# KiCad board sofel_v3b.kicad_pcb
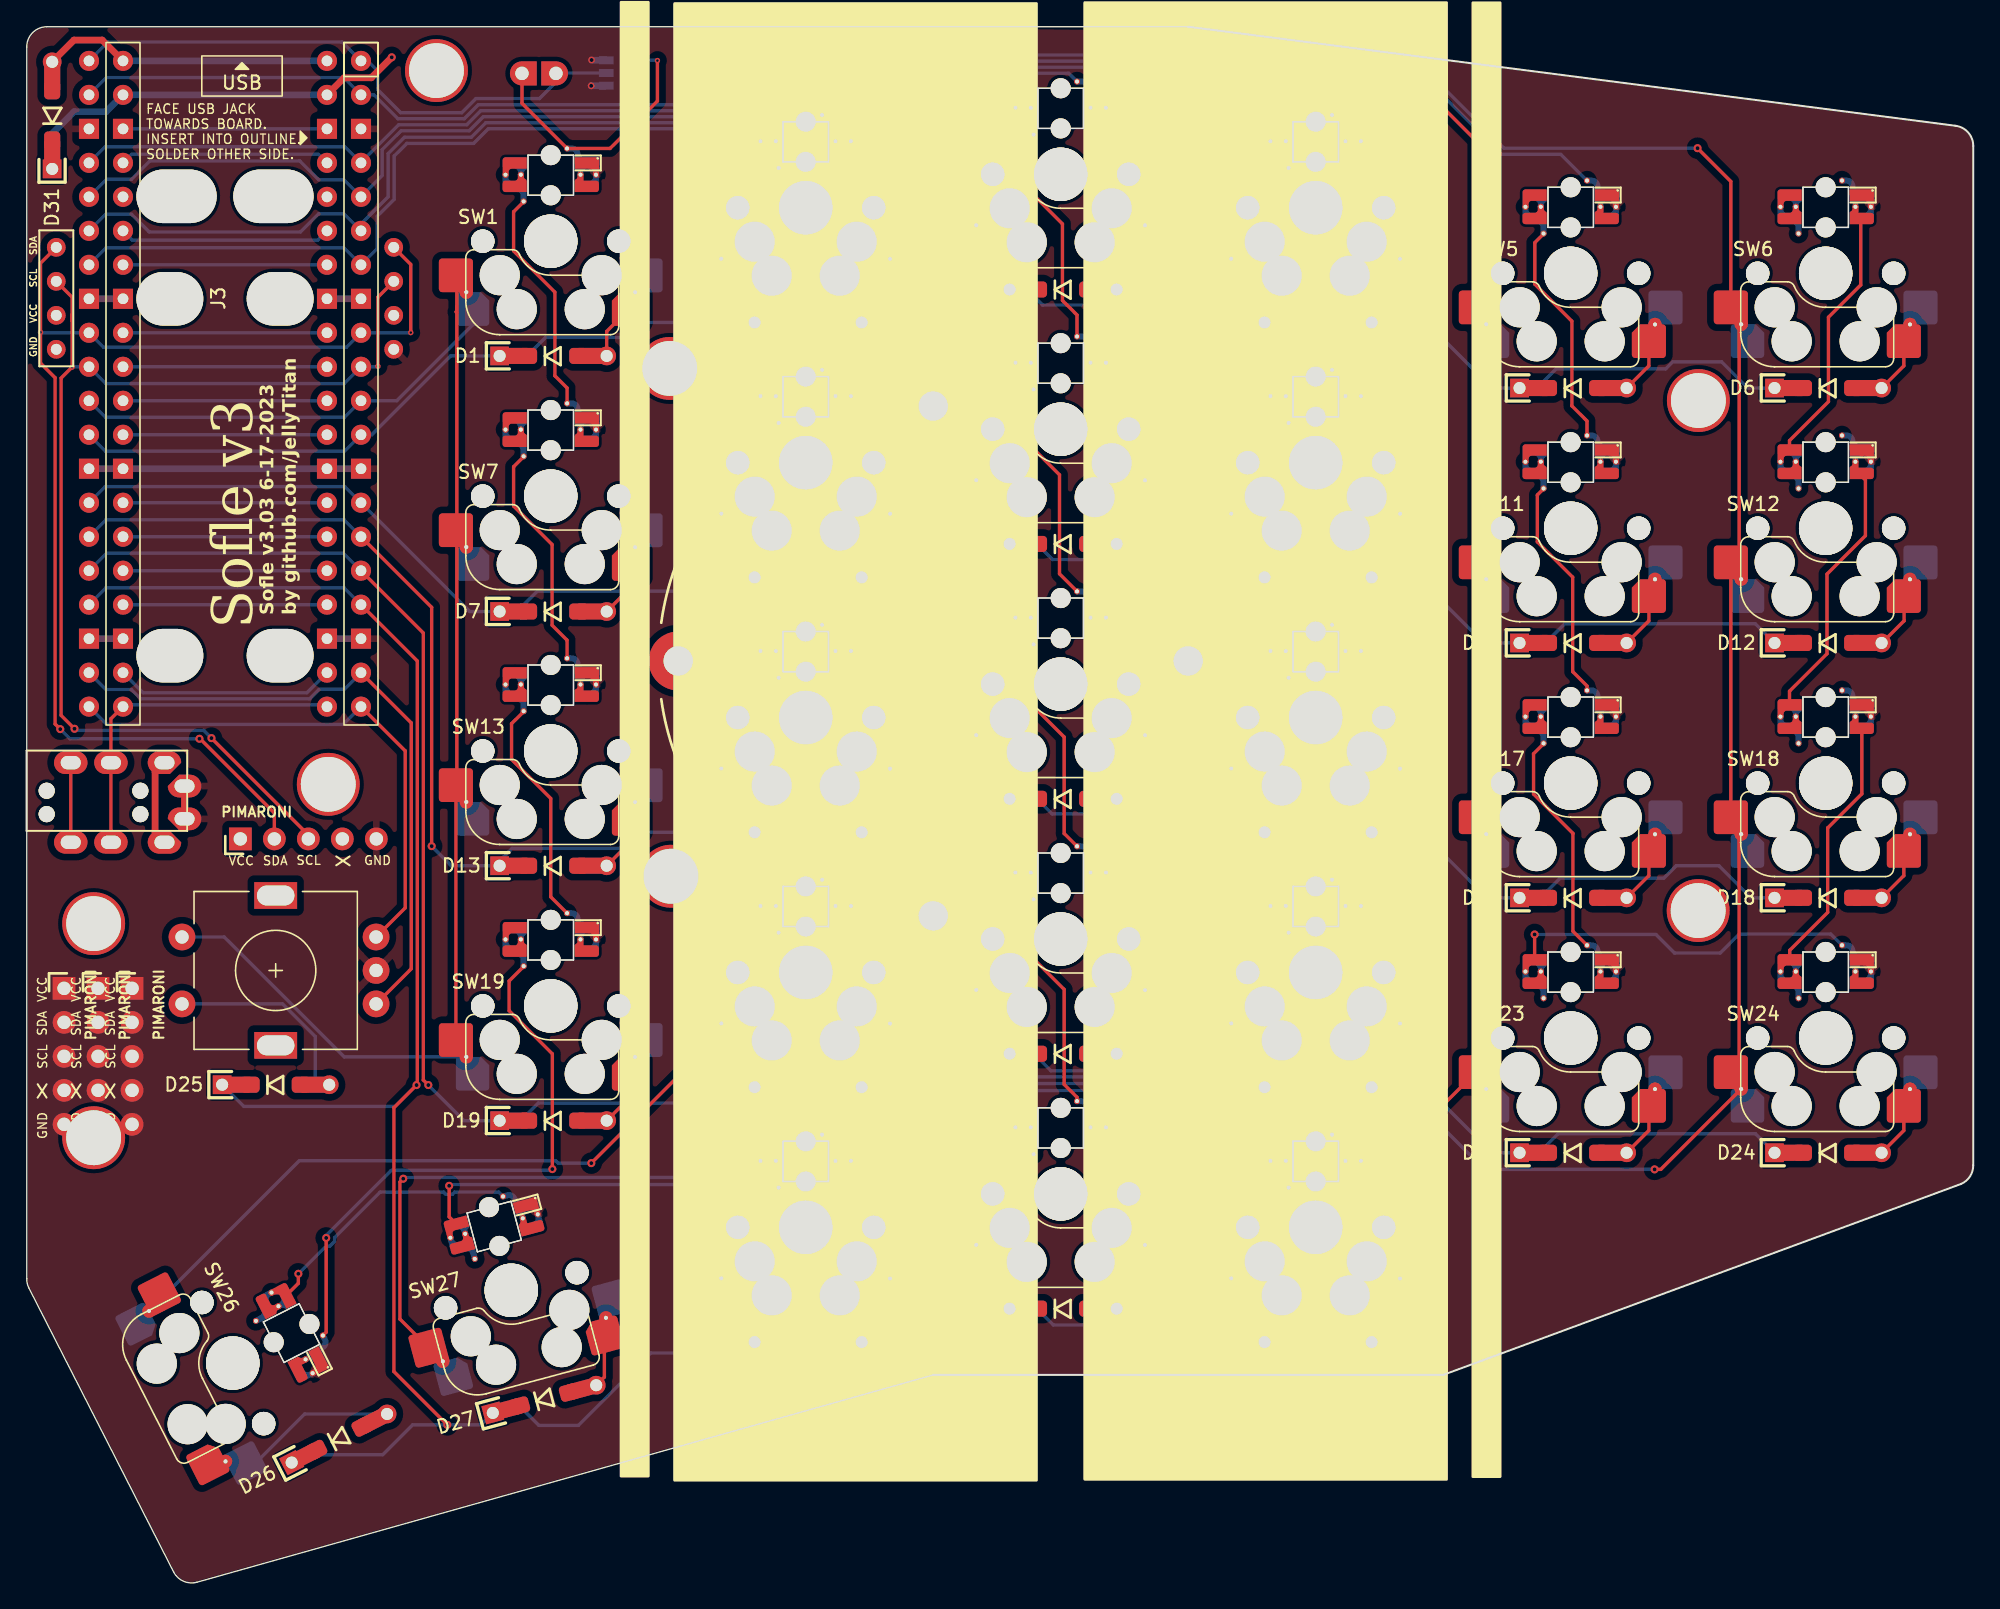
[diagram p0: board, top side]
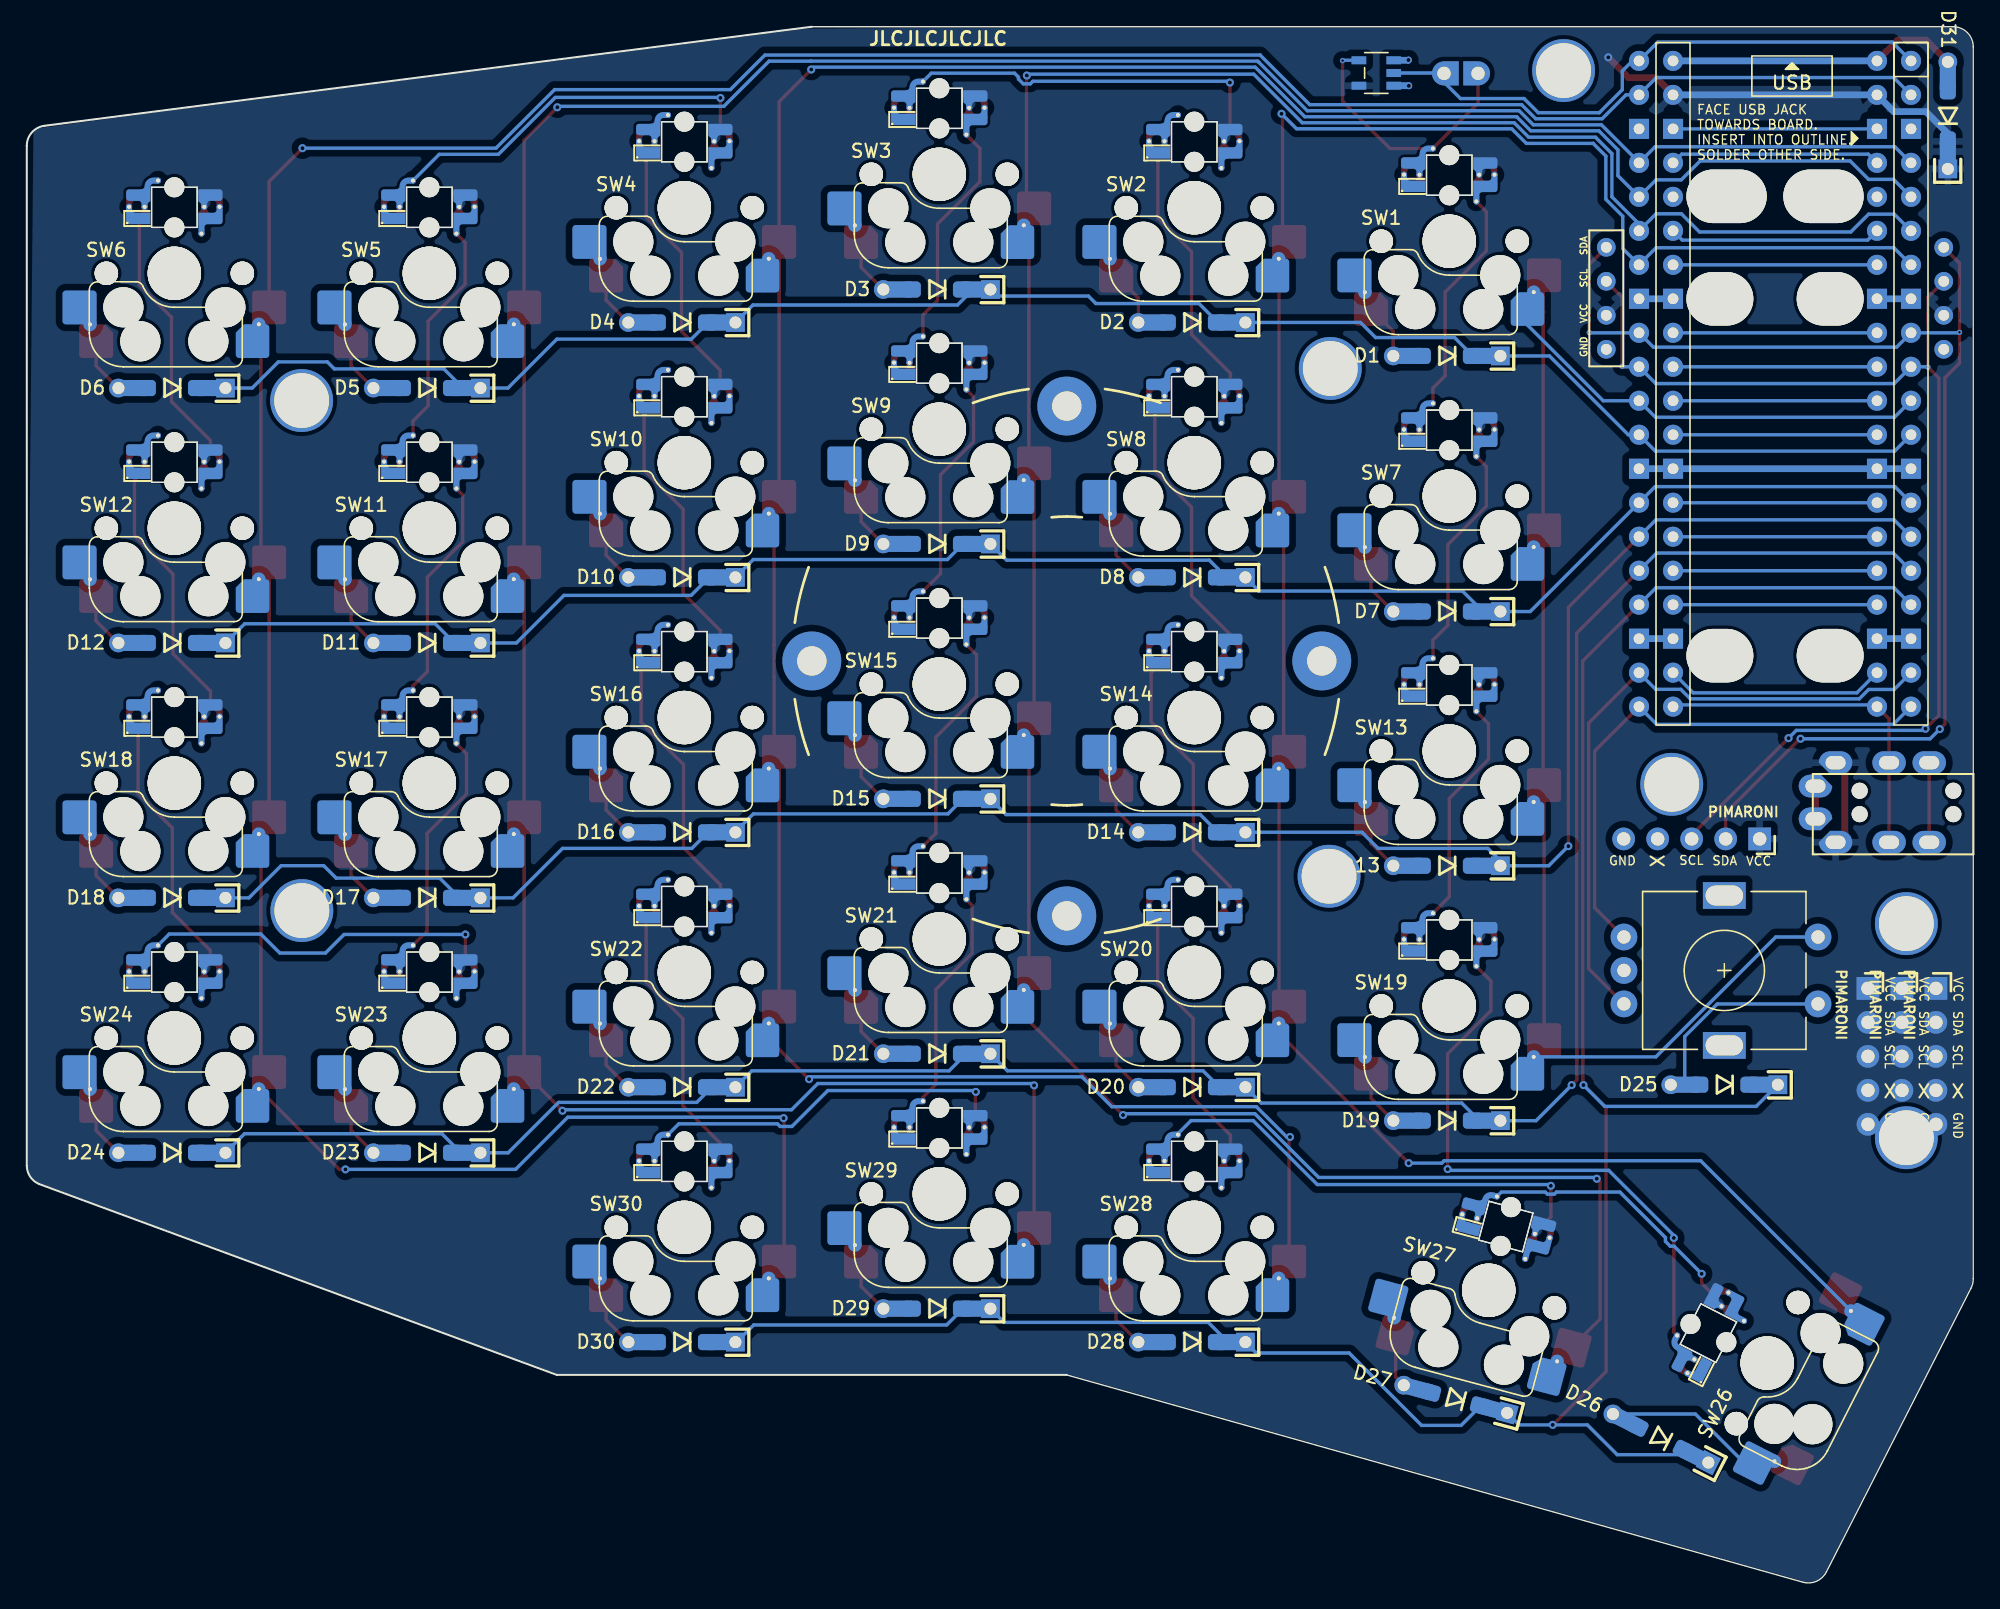
[diagram p1: board, bottom side, seen from below]

Outline 145.42 x 116.25 mm; copper layers: Top, Bottom. Coordinates in mm from the lower left corner of the outline.
Outline path: 0,114.75 0,22.69 arc(0.04,22.33) 0.16,21.98 10.97,0.77 arc(11.7,0.07) 12.71,0 67.72,15.5 105.82,15.5 144.52,29.77 arc(145.17,30.32) 145.42,31.15 145.42,107.35 arc(145.04,108.35) 144.09,108.85 86.77,116.25 1.5,116.25 arc(0.44,115.81) 0,114.75
Stack: Top 0.035mm / dielectric 1.51mm FR4 er 4.5 / Bottom 0.035mm

## Placement (name value [footprint] x y rotation side)
D1  D  [D_SOD-123_DO-35_Hybrid_DoubleSided_V2]  39.33 91.65 0 bottom
D2  D  [D_SOD-123_DO-35_Hybrid_DoubleSided_V2]  58.38 94.15 0 bottom
D3  D  [D_SOD-123_DO-35_Hybrid_DoubleSided_V2]  77.43 96.61 0 bottom
D4  D  [D_SOD-123_DO-35_Hybrid_DoubleSided_V2]  96.48 94.15 0 bottom
D5  D  [D_SOD-123_DO-35_Hybrid_DoubleSided_V2]  115.53 89.25 0 bottom
D6  D  [D_SOD-123_DO-35_Hybrid_DoubleSided_V2]  134.58 89.25 0 bottom
D7  D  [D_SOD-123_DO-35_Hybrid_DoubleSided_V2]  39.33 72.55 0 bottom
D8  D  [D_SOD-123_DO-35_Hybrid_DoubleSided_V2]  58.38 75.1 0 bottom
D9  D  [D_SOD-123_DO-35_Hybrid_DoubleSided_V2]  77.43 77.6 0 bottom
D10  D  [D_SOD-123_DO-35_Hybrid_DoubleSided_V2]  96.48 75.1 0 bottom
D11  D  [D_SOD-123_DO-35_Hybrid_DoubleSided_V2]  115.53 70.2 0 bottom
D12  D  [D_SOD-123_DO-35_Hybrid_DoubleSided_V2]  134.58 70.2 0 bottom
D13  D  [D_SOD-123_DO-35_Hybrid_DoubleSided_V2]  39.33 53.55 0 bottom
D14  D  [D_SOD-123_DO-35_Hybrid_DoubleSided_V2]  58.38 56.05 0 bottom
D15  D  [D_SOD-123_DO-35_Hybrid_DoubleSided_V2]  77.43 58.55 0 bottom
D16  D  [D_SOD-123_DO-35_Hybrid_DoubleSided_V2]  96.48 56.05 0 bottom
D17  D  [D_SOD-123_DO-35_Hybrid_DoubleSided_V2]  115.53 51.15 0 bottom
D18  D  [D_SOD-123_DO-35_Hybrid_DoubleSided_V2]  134.58 51.15 0 bottom
D19  D  [D_SOD-123_DO-35_Hybrid_DoubleSided_V2]  39.33 34.5 0 bottom
D20  D  [D_SOD-123_DO-35_Hybrid_DoubleSided_V2]  58.38 37 0 bottom
D21  D  [D_SOD-123_DO-35_Hybrid_DoubleSided_V2]  77.43 39.5 0 bottom
D22  D  [D_SOD-123_DO-35_Hybrid_DoubleSided_V2]  96.48 37 0 bottom
D23  D  [D_SOD-123_DO-35_Hybrid_DoubleSided_V2]  115.53 32.1 0 bottom
D24  D  [D_SOD-123_DO-35_Hybrid_DoubleSided_V2]  134.58 32.1 0 bottom
D25  D  [D_SOD-123_DO-35_Hybrid_DoubleSided_V2]  18.6 37.18 0 bottom
D26  D  [D_SOD-123_DO-35_Hybrid_DoubleSided_V2]  23.35 10.76 27 bottom
D27  D  [D_SOD-123_DO-35_Hybrid_DoubleSided_V2]  38.68 13.69 15 bottom
D28  D  [D_SOD-123_DO-35_Hybrid_DoubleSided_V2]  58.38 17.95 0 bottom
D29  D  [D_SOD-123_DO-35_Hybrid_DoubleSided_V2]  77.43 20.45 0 bottom
D30  D  [D_SOD-123_DO-35_Hybrid_DoubleSided_V2]  96.48 17.95 0 bottom
D31  D  [D_SOD-123_DO-35_Hybrid_DoubleSided_V2]  1.9 109.62 90 bottom
D51  -  [Dummy 6812miniE]  39.15 105.15 180 bottom
D52  -  [Dummy 6812miniE]  58.2 107.65 180 bottom
D53  -  [Dummy 6812miniE]  77.25 110.15 180 bottom
D54  -  [Dummy 6812miniE]  96.3 107.65 180 bottom
D55  -  [Dummy 6812miniE]  115.35 102.75 180 bottom
D56  -  [Dummy 6812miniE]  134.4 102.75 180 bottom
D57  -  [Dummy 6812miniE]  39.15 86.1 180 bottom
D58  -  [Dummy 6812miniE]  58.2 88.6 180 bottom
D59  -  [Dummy 6812miniE]  77.25 91.1 180 bottom
D59#2  -  [Dummy 6812miniE]  39.15 48 180 bottom
D60  -  [Dummy 6812miniE]  96.3 88.6 180 bottom
D61  -  [Dummy 6812miniE]  115.35 83.7 180 bottom
D62  -  [Dummy 6812miniE]  134.4 83.7 180 bottom
D63  -  [Dummy 6812miniE]  39.15 67.05 180 bottom
D64  -  [Dummy 6812miniE]  58.2 69.55 180 bottom
D65  -  [Dummy 6812miniE]  77.25 72.05 180 bottom
D66  -  [Dummy 6812miniE]  96.3 69.55 180 bottom
D67  -  [Dummy 6812miniE]  115.35 64.65 180 bottom
D68  -  [Dummy 6812miniE]  134.4 64.65 180 bottom
D70  -  [Dummy 6812miniE]  58.2 50.5 180 bottom
D71  -  [Dummy 6812miniE]  77.25 53 180 bottom
D72  -  [Dummy 6812miniE]  96.3 50.5 180 bottom
D73  -  [Dummy 6812miniE]  115.35 45.6 180 bottom
D74  -  [Dummy 6812miniE]  134.4 45.6 180 bottom
D76  -  [Dummy 6812miniE]  19.79 18.62 117 bottom
D77  -  [Dummy 6812miniE]  34.92 26.58 195 bottom
D78  -  [Dummy 6812miniE]  58.2 31.45 180 bottom
D79  -  [Dummy 6812miniE]  77.25 33.95 180 bottom
D80  -  [Dummy 6812miniE]  96.3 31.45 180 bottom
J1  Pimaroni Trackball  [Pimaroni_PinHeader_1x05_P2.54mm_Vertical Sofle v3b]  15.96 55.55 90 top
J1#2  Pimaroni Trackball  [Pimaroni_PinHeader_1x05_P2.54mm_Vertical Sofle v3b]  5.33 44.38 0 top
J1#3  Pimaroni Trackball  [Pimaroni_PinHeader_1x05_P2.54mm_Vertical Sofle v3b]  7.87 44.38 0 top
J1#4  Pimaroni Trackball  [Pimaroni_PinHeader_1x05_P2.54mm_Vertical Sofle v3b]  2.79 44.38 0 top
J2  4PIN  [MJ-4PP-9]  -0.01 59.15 90 top
J3  OLED  [OLED SSD1306 128x64 UNVERIFIED]  14.81 95.95 90 top
JP1  Level shifter bypass jumper  [Level Shifter Bypass Jumper]  38.27 112.76 180 top
NOREF  -  [e4819d78-7681-430c-a61d-7ce8f9aac4b4]  20.82 107.34 180 top
NOREF#2  -  [e4819d78-7681-430c-a61d-7ce8f9aac4b4]  8.73 107.39 0 bottom
REF**  Tenting Puck  [Tenting_Puck.kicad_mod_nocenter]  67.72 68.85 0 top
SW1  SW_PUSH_LED  [Cherry_MX_DS_Hotswap_miniE_1U]  39.15 100.22 0 bottom
SW2  SW_PUSH_LED  [Cherry_MX_DS_Hotswap_miniE_1U]  58.2 102.72 0 bottom
SW3  SW_PUSH_LED  [Cherry_MX_DS_Hotswap_miniE_1U]  77.25 105.22 0 bottom
SW4  SW_PUSH_LED  [Cherry_MX_DS_Hotswap_miniE_1U]  96.3 102.72 0 bottom
SW5  SW_PUSH_LED  [Cherry_MX_DS_Hotswap_miniE_1U]  115.35 97.82 0 bottom
SW6  SW_PUSH_LED  [Cherry_MX_DS_Hotswap_miniE_1U]  134.4 97.82 0 bottom
SW7  SW_PUSH_LED  [Cherry_MX_DS_Hotswap_miniE_1U]  39.15 81.17 0 bottom
SW8  SW_PUSH_LED  [Cherry_MX_DS_Hotswap_miniE_1U]  58.2 83.67 0 bottom
SW9  SW_PUSH_LED  [Cherry_MX_DS_Hotswap_miniE_1U]  77.25 86.17 0 bottom
SW10  SW_PUSH_LED  [Cherry_MX_DS_Hotswap_miniE_1U]  96.3 83.67 0 bottom
SW11  SW_PUSH_LED  [Cherry_MX_DS_Hotswap_miniE_1U]  115.35 78.77 0 bottom
SW12  SW_PUSH_LED  [Cherry_MX_DS_Hotswap_miniE_1U]  134.4 78.77 0 bottom
SW13  SW_PUSH_LED  [Cherry_MX_DS_Hotswap_miniE_1U]  39.15 62.12 0 bottom
SW14  SW_PUSH_LED  [Cherry_MX_DS_Hotswap_miniE_1U]  58.2 64.62 0 bottom
SW15  SW_PUSH_LED  [Cherry_MX_DS_Hotswap_miniE_1U]  77.25 67.12 0 bottom
SW16  SW_PUSH_LED  [Cherry_MX_DS_Hotswap_miniE_1U]  96.3 64.62 0 bottom
SW17  SW_PUSH_LED  [Cherry_MX_DS_Hotswap_miniE_1U]  115.35 59.72 0 bottom
SW18  SW_PUSH_LED  [Cherry_MX_DS_Hotswap_miniE_1U]  134.4 59.72 0 bottom
SW19  SW_PUSH_LED  [Cherry_MX_DS_Hotswap_miniE_1U]  39.15 43.07 0 bottom
SW20  SW_PUSH_LED  [Cherry_MX_DS_Hotswap_miniE_1U]  58.2 45.57 0 bottom
SW21  SW_PUSH_LED  [Cherry_MX_DS_Hotswap_miniE_1U]  77.25 48.07 0 bottom
SW22  SW_PUSH_LED  [Cherry_MX_DS_Hotswap_miniE_1U]  96.3 45.57 0 bottom
SW23  SW_PUSH_LED  [Cherry_MX_DS_Hotswap_miniE_1U]  115.35 40.67 0 bottom
SW24  SW_PUSH_LED  [Cherry_MX_DS_Hotswap_miniE_1U]  134.4 40.67 0 bottom
SW25  Rotary_Encoder_Switch  [RotaryEncoder_Alps_EC11E-Switch_Vertical_H20mm-keebio_modified]  18.6 45.72 180 top
SW26  SW_PUSH_LED  [Cherry_MX_DS_Hotswap_miniE_1U]  15.39 16.38 297 bottom
SW27  SW_PUSH_LED  [Cherry_MX_DS_Hotswap_miniE_1U]  36.2 21.82 15 bottom
SW28  SW_PUSH_LED  [Cherry_MX_DS_Hotswap_miniE_1U]  58.2 26.52 0 bottom
SW29  SW_PUSH_LED  [Cherry_MX_DS_Hotswap_miniE_1U]  77.25 29.02 0 bottom
SW30  SW_PUSH_LED  [Cherry_MX_DS_Hotswap_miniE_1U]  96.3 26.52 0 bottom
TH1  HOLE  [Hole from sofle for M2 posts gold rimmer]  5 49.22 0 top
TH2  HOLE  [Hole from sofle for M2 posts gold rimmer]  22.53 59.63 0 top
TH3  HOLE  [Hole from sofle for M2 posts gold rimmer]  48.04 90.71 0 top
TH4  HOLE  [Hole from sofle for M2 posts gold rimmer]  124.89 88.31 0 top
TH5  HOLE  [Hole from sofle for M2 posts gold rimmer]  48.13 52.76 0 top
TH6  HOLE  [Hole from sofle for M2 posts gold rimmer]  124.87 50.2 0 top
TH7  HOLE  [Hole from sofle for M2 posts gold rimmer]  30.61 112.97 0 top
TH8  HOLE  [Hole from sofle for M2 posts gold rimmer]  5 33.22 0 top
U2  SN74AHCT1G125  [SN74AHCT1G125 - Junco]  44.6 112.79 0 bottom
U3  Pico  [RPi_Pico_SMD_TH - Junco -DS Sofle v3b v4]  14.81 89.57 180 bottom

## Library data of the parts
D31 = -: Description: Diode; Sim.Pins: 1=K 2=A
J1 J1#2-J1#4 = -: Description: Generic connector, single row, 01x05, script generated
JP1 = -: Description: Solder Jumper, 2-pole, open
U2 = -: Description: SN74AHCT1G125 Buffer Gate SOT-23

## Footprints (pads in the part's own frame, mm; a bottom-side part is the same pattern mirrored in y, then rotated)
Cherry_MX_DS_Hotswap_miniE_1U
  round 1.75 hole 1.75 unplated: (-5.08,0) (-5.08,0) (5.08,0) (5.08,0)
  round 3 hole 3 unplated: (-3.81,2.54) (-2.54,5.08) (2.54,5.08) (3.81,2.54)
  rrect 1.82x0.85 smd: (-2.69,-5.845) (-2.69,-4.095)
  rrect 1.82x0.84 smd: (-2.69,-4.095) (2.69,-5.84)
  rrect 1.83x0.85 smd: (-2.685,-5.855) (2.685,-4.095)
  round 1.5 hole 1.5 unplated: (0,-6.43) (0,-3.43)
  round 3.988 hole 3.988 unplated: (0,0) (0,0)
  rect 1.38x0.84 smd: (2.47,-5.85) (2.47,-4.09)
  rrect 1.49x0.84 smd: (2.855,-5.85) (2.855,-4.09)
  custom 1.803x1.525 smd: 1(-2.7,-5.845)
  custom 1.8x1.524 smd far side: 1(-2.7,-4.095)
  round 0.45 hole 0.3: 1(-2.234,-4.969) 2(-3.38,-4.97) 2(-2.025,-2.97) 3(3.38,-4.97) 4(1.22,-6.93) 4(2.225,-4.97)
  custom 1.805x2.45 smd: 2(-2.7,-4.095)
  custom 1.8x1.525 smd far side: 2(-2.693,-5.845)
  custom 1.805x1.525 smd: 3(2.7,-4.1)
  custom 1.81x1.362 smd far side: 3(2.705,-5.845)
  custom 2.605x2.41 smd: 4(2.7,-5.845)
  custom 1.81x1.525 smd far side: 4(2.7,-4.095)
  rrect 2.55x2.52 smd far side: 5(5.842,5.07) 6(-7.085,2.55)
  round 1 hole 0.3: 5(6.3,3.82) 6(-6.31,3.81)
  rrect 2.55x2.53 smd: 5(7.085,2.555)
  rrect 2.5x2.52 smd: 6(-5.842,5.07)
D_SOD-123_DO-35_Hybrid_DoubleSided_V2
  rect 1.4x1.4 hole 0.9: 1(-4,0)
  rect 1.6x1.2 smd far side: 1(-2.75,0)
  rect 1.6x1.2 smd: 1(-2.7,0)
  rrect 1.5x1.2 smd: 1(-1.95,0)
  rrect 1.4x1.2 smd far side: 1(-1.9,0) 2(1.9,0)
  rrect 1.4x1.2 smd: 2(1.9,0)
  rect 2.12x1.2 smd: 2(2.96,0)
  rect 2.14x1.2 smd far side: 2(2.97,0)
  round 1.4 hole 0.9: 2(4,0)
Hole from sofle for M2 posts gold rimmer
  round 4.7 hole 4.1: (0,0)
Level Shifter Bypass Jumper
  rrect 2x1.8 hole 1: 1(-1.27,0) 2(1.27,0)
MJ-4PP-9
  round 1.2 hole 1.2 unplated: (-1.75,-1.5) (-1.75,-8.5) (0,-1.5) (0,-8.5)
  rrect 1.7x2.5 hole 1x1.5: 1(-2.1,-11.8) 1(0.35,-11.8) 2(-3.85,-10.3) 2(2.1,-10.3)
  oval 1.7x2.5 hole 1x1.5: 3(-3.85,-6.3) 3(2.1,-6.3) 4(-3.85,-3.3) 4(2.1,-3.3)
OLED SSD1306 128x64 UNVERIFIED
  round 1.397 hole 0.813: 1(3.81,12.605) 1(3.81,-12.605) 2(1.27,12.605) 2(1.27,-12.605) 3(-1.27,12.605) 3(-1.27,-12.605) 4(-3.81,12.605) 4(-3.81,-12.605)
Pimaroni_PinHeader_1x05_P2.54mm_Vertical Sofle v3b
  rect 1.7x1.7 hole 1: 1(0,0)
  oval 1.7x1.7 hole 1: 2(0,-2.54) 3(0,-5.08) 4(0,-7.62) 5(0,-10.16)
RotaryEncoder_Alps_EC11E-Switch_Vertical_H20mm-keebio_modified
  round 2 hole 1: A(-7.5,2.5) B(-7.5,-2.5) C(-7.5,0) S1(7,-2.5) S2(7,2.5)
  rect 3.2x2 hole 2.8x1.5: MP(0,5.6) MP(0,-5.6)
RPi_Pico_SMD_TH - Junco -DS Sofle v3b v4
  oval 5x4 hole 5x4 unplated: (-4.12,-20.32) (-4.12,6.35) (4.12,-20.32) (4.12,6.35)
  oval 6x4 hole 6x4 unplated: (-3.62,14.01) (3.62,14.01)
  round 1.5 hole 0.8: 1(-10.16,24.13) 1(10.16,24.13) 2(-10.16,21.59) 2(10.16,21.59) 4(-10.16,16.51) 4(10.16,16.51) 5(-10.16,13.97) 5(10.16,13.97) 6(-10.16,11.43) 6(10.16,11.43) 7(-10.16,8.89) 7(10.16,8.89) 9(-10.16,3.81) 9(10.16,3.81) 10(-10.16,1.27) 10(10.16,1.27) 11(-10.16,-1.27) 11(10.16,-1.27) 12(-10.16,-3.81) 12(10.16,-3.81) 14(-10.16,-8.89) 14(10.16,-8.89) 15(-10.16,-11.43) 15(10.16,-11.43) 16(-10.16,-13.97) 16(10.16,-13.97) 17(-10.16,-16.51) 17(10.16,-16.51) 19(-10.16,-21.59) 19(10.16,-21.59) 20(-10.16,-24.13) 20(10.16,-24.13) 21(-7.62,-24.13) 21(7.62,-24.13) 22(-7.62,-21.59) 22(7.62,-21.59) 24(-7.62,-16.51) 24(7.62,-16.51) 25(-7.62,-13.97) 25(7.62,-13.97) 26(-7.62,-11.43) 26(7.62,-11.43) 27(-7.62,-8.89) 27(7.62,-8.89) 29(-7.62,-3.81) 29(7.62,-3.81) 30(-7.62,-1.27) 30(7.62,-1.27) 31(-7.62,1.27) 31(7.62,1.27) 32(-7.62,3.81) 32(7.62,3.81) 34(-7.62,8.89) 34(7.62,8.89) 35(-7.62,11.43) 35(7.62,11.43) 36(-7.62,13.97) 36(7.62,13.97) 37(-7.62,16.51) 37(7.62,16.51) 39(-7.62,21.59) 39(7.62,21.59) 40(-7.62,24.13) 40(7.62,24.13)
  rect 1.5x1.5 hole 0.8: 3(-10.16,19.05) 3(10.16,19.05) 8(-10.16,6.35) 8(10.16,6.35) 13(-10.16,-6.35) 13(10.16,-6.35) 18(-10.16,-19.05) 18(10.16,-19.05) 23(-7.62,-19.05) 23(7.62,-19.05) 28(-7.62,-6.35) 28(7.62,-6.35) 33(-7.62,6.35) 33(7.62,6.35) 38(-7.62,19.05) 38(7.62,19.05)
SN74AHCT1G125 - Junco
  rect 1.1x0.6 smd: 1(-1.3,0.95) 2(-1.3,0) 3(-1.3,-0.95) 4(1.3,-0.95) 5(1.3,0.95)
Tenting_Puck.kicad_mod_nocenter
  round 4.4 hole 2.2: 1(-19.05,0) 1(0,19.05) 1(0,-19.05) 1(19.05,0)

## Nets
GND: J1.5 J2.1 J3.4 SW1.3 SW2.3 SW3.3 SW4.3 SW5.3 SW6.3 SW7.3 SW8.3 SW9.3 SW10.3 SW11.3 SW12.3 SW13.3 SW14.3 SW15.3 SW16.3 SW17.3 SW18.3 SW19.3 SW20.3 SW21.3 SW22.3 SW23.3 SW24.3 SW25.C SW26.3 SW27.3 SW28.3 SW29.3 SW30.3 U2.1 U2.3 U3.3 U3.8 U3.13 U3.18 U3.23 U3.28 U3.33
VCC: D31.1 J1.1 J2.2 J3.3 SW1.1 SW2.1 SW3.1 SW4.1 SW5.1 SW6.1 SW7.1 SW8.1 SW9.1 SW10.1 SW11.1 SW12.1 SW13.1 SW14.1 SW15.1 SW16.1 SW17.1 SW18.1 SW19.1 SW20.1 SW21.1 SW22.1 SW23.1 SW24.1 SW26.1 SW27.1 SW28.1 SW29.1 SW30.1 U2.5 U3.39
col0: SW6.6 SW12.6 SW18.6 SW24.6 SW30.6 U3.2
col1: SW5.6 SW11.6 SW17.6 SW23.6 SW29.6 U3.4
col2: SW4.6 SW10.6 SW16.6 SW22.6 SW28.6 U3.5
col3: SW3.6 SW9.6 SW15.6 SW21.6 SW27.6 U3.6
col4: SW2.6 SW8.6 SW14.6 SW20.6 SW26.6 U3.7
ENCA: SW25.A U3.19
ENCB: SW25.B U3.20
LED: JP1.1 U2.2 U3.1
row0: D1.1 D2.1 D3.1 D4.1 D5.1 D6.1 U3.12
row1: D7.1 D8.1 D9.1 D10.1 D11.1 D12.1 U3.14
row2: D13.1 D14.1 D15.1 D16.1 D17.1 D18.1 U3.15
row3: D19.1 D20.1 D21.1 D22.1 D23.1 D24.1 U3.16
row4: D25.1 D26.1 D27.1 D28.1 D29.1 D30.1 U3.17
SCL: J1.3 J3.2 U3.10
SDA: J1.2 J3.1 U3.9
SOLENOID_CONTROL: U3.25
SW25A: SW1.6 SW7.6 SW13.6 SW19.6 SW25.S1 U3.11
SW25B: D25.2 SW25.S2
TX: J2.3 U3.21
Net-(D1-A): D1.2 SW1.5
Net-(D2-A): D2.2 SW2.5
Net-(D3-A): D3.2 SW3.5
Net-(D4-A): D4.2 SW4.5
Net-(D5-A): D5.2 SW5.5
Net-(D6-A): D6.2 SW6.5
Net-(D7-A): D7.2 SW7.5
Net-(D8-A): D8.2 SW8.5
Net-(D9-A): D9.2 SW9.5
Net-(D10-A): D10.2 SW10.5
Net-(D11-A): D11.2 SW11.5
Net-(D12-A): D12.2 SW12.5
Net-(D13-A): D13.2 SW13.5
Net-(D14-A): D14.2 SW14.5
Net-(D15-A): D15.2 SW15.5
Net-(D16-A): D16.2 SW16.5
Net-(D17-A): D17.2 SW17.5
Net-(D18-A): D18.2 SW18.5
Net-(D19-A): D19.2 SW19.5
Net-(D20-A): D20.2 SW20.5
Net-(D21-A): D21.2 SW21.5
Net-(D22-A): D22.2 SW22.5
Net-(D23-A): D23.2 SW23.5
Net-(D24-A): D24.2 SW24.5
Net-(D26-A): D26.2 SW26.5
Net-(D27-A): D27.2 SW27.5
Net-(D28-A): D28.2 SW28.5
Net-(D29-A): D29.2 SW29.5
Net-(D30-A): D30.2 SW30.5
Net-(D31-A): D31.2 U3.40
Net-(JP1-B): JP1.2 SW1.4 U2.4
Net-(SW1B-DOUT): SW1.2 SW7.4
Net-(SW2B-DIN): SW2.4 SW8.2
Net-(SW2B-DOUT): SW2.2 SW3.4
Net-(SW3B-DOUT): SW3.2 SW9.4
Net-(SW4B-DOUT): SW4.2 SW5.4
Net-(SW10B-DIN): SW10.4 SW16.2
Net-(SW10B-DOUT): SW4.4 SW10.2
Net-(SW11B-DIN): SW5.2 SW11.4
Net-(SW11B-DOUT): SW11.2 SW17.4
Net-(SW12B-DIN): SW12.4 SW18.2
Net-(SW12B-DOUT): SW6.4 SW12.2
Net-(SW13B-DIN): SW7.2 SW13.4
Net-(SW13B-DOUT): SW13.2 SW19.4
Net-(SW14B-DIN): SW14.4 SW20.2
Net-(SW14B-DOUT): SW8.4 SW14.2
Net-(SW15B-DIN): SW9.2 SW15.4
Net-(SW15B-DOUT): SW15.2 SW21.4
Net-(SW16B-DIN): SW16.4 SW22.2
Net-(SW17B-DOUT): SW17.2 SW23.4
Net-(SW18B-DIN): SW18.4 SW24.2
Net-(SW19B-DOUT): SW19.2 SW26.4
Net-(SW20B-DIN): SW20.4 SW28.2
Net-(SW21B-DOUT): SW21.2 SW29.4
Net-(SW22B-DIN): SW22.4 SW30.2
Net-(SW23B-DOUT): SW23.2 SW24.4
Net-(SW26B-DOUT): SW26.2 SW27.4
Net-(SW27B-DOUT): SW27.2 SW28.4
Net-(SW29B-DOUT): SW29.2 SW30.4

Pads without a net: J1 4; J1#2 1 2 3 4 5; J1#3 1 2 3 4 5; J1#4 1 2 3 4 5; J2 4; REF** 1; SW6 2; SW25 MP; U3 22 24 26 27 29 30 31 32 34 35 36 37 38

## Via types
v1: diameter 0.6, hole 0.3, Top to Bottom, 31 vias
v2: diameter 0.5, hole 0.3, Top to Bottom, 2 vias
v3: diameter 0.4, hole 0.2, Top to Bottom, 5 vias

## Routing (per net, layer and track width the routed paths; a pad name or vN(x,y) marks a point on that pad's centre or on a via; arc(x,y) is an arc through that point)
GND: length 35.4
  Top w0.5: J2.1 J2.1 ; 99,70.24 99,70.24 ; U3.8 24.97,96.05 ; 137.19,84.48 137.1,84.39
  Bottom w0.5: U2.3 42.22,113.74 v2(42.2,113.76) ; U3.23 U3.18 ; U3.33 U3.8 ; U2.1 42.18,111.84 v2(42.17,111.83) ; U3.13 U3.28 U3.28 U3.13 ; U3.8 U3.33 ; U3.18 U3.23
VCC: length 35.6
  Top w0.5: J2.2 9.59,56 9.59,60.55 J2.2 ; v1(27.27,113.96) 25.74,112.43 23.7,112.43 U3.39
  Bottom w0.5: D31.1 1.9,108.26 3.53,109.9 5.93,109.9 U3.39 U3.39
col0: length 250
  Top w0.25: v1(124.83,107.17) 127.31,104.69 SW6.6 ; 127.93,55.75 127.93,37.02 ; 127.94,75.11 127.94,93.86 ; SW12.6 SW18.6 ; SW24.6 122.08,30.85 v1(121.62,30.85) ; v1(88.88,34.69) 88.85,34.65 88.85,24.35
  Bottom w0.25: v1(124.83,107.17) 110.36,107.17 105.98,111.55 92.85,111.55 90.27,114.13 53.28,114.13 53.27,114.12 49.57,110.42 33.74,110.42 32.68,109.37 27.73,109.37 25.94,111.16 U3.2 23.67,112.45 5.94,112.45 U3.2 ; v1(121.62,30.85) 108.9,30.85 105,34.75 88.95,34.75 v1(88.88,34.69)
col1: length 230.7
  Top w0.25: SW29.6 70.16,37.13 v1(70.17,37.13) ; v1(105.79,110.23) 108.26,107.75 SW5.6 SW11.6 SW17.6 SW23.6 105.4,35.26 v1(105.4,35.24)
  Bottom w0.25: v1(105.4,35.24) 105.33,35.31 88.28,35.31 86.32,37.27 70.31,37.27 v1(70.17,37.13) ; v1(105.79,110.23) 105.72,110.3 93.34,110.3 89.97,113.67 86.83,113.67 53.46,113.67 53.38,113.6 49.75,109.97 33.92,109.97 32.87,108.92 27.78,108.92 24.97,106.11 U3.4 23.76,107.28 5.85,107.28 U3.4
col2: length 215.2
  Top w0.25: v1(51.05,33.28) 51.11,33.21 51.11,23.11 ; 89.21,81.12 89.21,110.65 v1(86.82,113.05) ; 89.59,80.75 89.59,70.03 89.6,70.02 89.6,67.68 89.59,67.67 89.59,61.21 SW16.6 ; SW22.6 89.99,40.61 v1(86.98,37.6) ; 89.21,62.07 89.21,43.02
  Bottom w0.25: v1(86.98,37.6) 86.8,37.77 66.58,37.77 64.35,35.54 53.56,35.54 51.29,33.28 v1(51.05,33.28) ; v1(86.82,113.05) 86.64,113.22 53.64,113.22 49.94,109.52 34.11,109.52 33.06,108.47 27.97,108.47 26.55,107.05 26.55,105.12 24.97,103.54 U3.5 23.69,104.81 21.81,104.81 20.4,106.22 9.2,106.22 7.82,104.84 5.95,104.84 U3.5
col3: length 203.8
  Top w0.25: SW21.6 70.94,42.34 v1(63.52,34.92) ; 30.01,17.53 27.88,19.67 27.88,29.91 v1(28.13,30.16) ; v1(70.71,112.6) 70.73,112.58 70.73,103.24 ; 70.55,84.01 70.55,102.29 ; 70.55,45.91 70.55,64.19 ; SW15.6 SW9.6
  Bottom w0.25: v1(70.71,112.6) 70.61,112.7 53.75,112.7 50.13,109.07 34.3,109.07 33.21,107.99 28.22,107.99 27,106.77 27,103.54 24.97,101.51 U3.6 23.69,102.27 21.81,102.27 20.45,100.91 9.15,100.91 7.82,102.24 5.89,102.24 U3.6 ; v1(28.13,30.16) 28.22,30.25 48.9,30.25 53.67,35.02 63.42,35.02 v1(63.52,34.92)
col4: length 175.1
  Top w0.25: SW20.6 51.89,41.03 v1(42.18,31.32) ; v1(51.68,109.74) 51.61,109.67 51.61,99.9 ; 51.52,62.48 51.52,80.72 ; 51.87,41.78 51.87,60.79 ; SW2.6 51.89,99.62 ; 51.87,79.88 51.87,98.89
  Bottom w0.25: SW26.6 20.36,31.5 39.53,31.5 39.7,31.32 v1(42.18,31.32) ; U3.7 5.92,99.73 23.69,99.73 U3.7 26.19,99.67 26.19,102.09 27.45,103.35 27.45,106.58 28.4,107.53 33.39,107.53 34.48,108.62 50.56,108.62 v1(51.68,109.74)
ENCA: length 49.3
  Top w0.25: SW25.A 28.73,45.85 28.73,64.22 U3.19
  Bottom w0.25: U3.19 5.9,66.72 7.81,66.72 8.51,66.02 21.14,66.02 21.85,66.73 23.72,66.73 U3.19
ENCB: length 40.9
  Top w0.25: U3.20 28.28,62.13 28.28,50.4 SW25.B
  Bottom w0.25: U3.20 5.97,64.11 23.64,64.11 U3.20
LED: length 43.2
  Bottom w0.25: 39.54,112.11 38.31,110.88 33.56,110.88 32.5,109.82 27.94,109.82 26.22,111.54 26.22,112.94 25.46,113.7 U3.1 23.56,115.1 6.05,115.1 U3.1 ; JP1.1 39.57,112.79 U2.2
row0: length 126.7
  Bottom w0.25: D5.1 109.47,89.25 105.82,92.9 95.77,92.9 D4.1 ; D4.1 91.17,95.45 75.89,95.45 D3.1 ; D1.1 38.75,93.02 44.65,93.02 45.77,94.15 D2.1 ; 72.94,96.12 66.1,96.12 65.54,95.56 57.84,95.56 D2.1 ; D1.1 31.66,91.65 25.77,85.76 U3.12 23.74,84.53 5.87,84.53 U3.12 ; D5.1 114.26,90.68 122.45,90.68 122.97,91.2 126.63,91.2 128.58,89.25 D6.1
row1: length 127.6
  Bottom w0.25: D12.1 129.14,71.63 114.91,71.63 113.47,70.2 ; U3.14 5.85,81.88 23.76,81.88 U3.14 33.1,72.55 D7.1 ; D7.1 38.15,74.07 53.35,74.07 D8.1 ; 94.53,75.01 95.79,73.75 105.29,73.75 108.84,70.2 D11.1 ; D8.1 56.43,75.74 57.07,76.38 72.21,76.38 D9.1 ; D10.1 91.14,76.43 76.64,76.43 D9.1
row2: length 148
  Top w0.25: U3.15 30.25,72.86 v1(30.25,55.01)
  Bottom w0.25: D14.1 45.66,56.05 44.46,54.84 36.26,54.84 35.33,53.91 ; U3.15 23.7,79.4 5.91,79.4 U3.15 ; D14.1 57.75,57.37 72.25,57.37 D15.1 ; v1(30.25,55.01) 31.71,53.55 D13.1 ; D17.1 109.09,51.15 105.4,54.84 95.73,54.84 D16.1 ; D18.1 128.82,51.15 126.42,53.55 123.24,53.55 122.31,52.62 114.57,52.62 113.58,51.63 D17.1 ; D15.1 76.6,57.42 91.14,57.42 92.48,56.08
row3: length 161.8
  Top w0.25: U3.16 29.63,70.94 29.63,37.53 v1(30,37.16)
  Bottom w0.25: D24.1 129.15,33.52 114.41,33.52 112.98,32.1 ; U3.16 23.65,76.91 5.96,76.91 U3.16 ; D21.1 72.15,38.22 57.54,38.22 56.43,37.11 ; 36.9,34.5 38.22,35.81 53.19,35.81 D20.1 ; v1(30,37.16) 32.66,34.5 D19.1 ; 94.53,36.7 95.37,35.86 105.69,35.86 109.45,32.1 D23.1 ; D22.1 91.25,38.22 76.52,38.22 75.48,39.26
row4: length 175.3
  Top w0.25: v1(31.42,11.76) 27.43,15.75 27.43,35.46 v1(29.12,37.15) 29.18,37.21 29.18,68.85 U3.17
  Bottom w0.25: D25.1 16.22,35.56 27.52,35.56 v1(29.12,37.15) ; D29.1 76.69,19.23 91.11,19.23 92.39,17.95 ; D28.1 57.15,19.42 72.4,19.42 D29.1 ; U3.17 23.7,74.32 5.91,74.32 U3.17 ; D27.1 38.26,11.72 41.21,11.72 46.62,17.13 53.56,17.13 D28.1 ; D26.1 26.6,9.53 28.83,11.76 v1(31.42,11.76) 33.92,11.76 D27.1
SCL: length 87
  Top w0.25: 3.39,94.77 3.39,94.25 ; 3.39,94.25 3.39,96.04 J3.2 ; 3.39,94.25 v3(3.39,90.81) 2.57,89.99 2.57,64.78 v1(3.57,63.78) ; v1(13.8,63.08) 21.03,55.86 21.03,55.56 ; v3(26.24,90.87) 26.24,96.04 J3.2
  Bottom w0.25: v1(3.57,63.78) 3.69,63.66 13.22,63.66 v1(13.8,63.08) ; v3(26.24,90.87) 26.2,90.84 U3.10 23.71,89.58 5.9,89.58 U3.10 3.41,90.84 v3(3.39,90.81)
SDA: length 93.1
  Top w0.25: J1.2 18.5,57.49 12.95,63.04 v1(12.9,63.04) ; v1(2.5,63.76) 2.12,64.14 2.12,90.02 1.03,91.11 1.03,98.58 J3.1 ; v3(28.69,93.39) 28.69,98.49 J3.1
  Bottom w0.25: v1(2.5,63.76) 3.22,63.04 v1(12.9,63.04) ; v3(1.03,93.41) 1.06,93.38 U3.9 5.72,92.3 23.89,92.3 U3.9 28.67,93.38 v3(28.69,93.39)
SOLENOID_CONTROL: length 15.2
  Bottom w0.25: U3.25 U3.25
SW25A: length 115.4
  Top w0.25: 32.13,95.4 32.13,94.87 32.06,94.94 ; 32.06,40.53 32.06,58.31 ; 32.13,97.62 32.13,58.78
  Bottom w0.25: SW25.S1 14.75,48.22 23.71,39.26 SW19.6 ; U3.11 5.88,87.06 23.73,87.06 U3.11 27.64,88.3 33.3,93.96 SW1.6
SW25B: length 14.6
  Bottom w0.25: SW25.S2 19.12,43.22 21.56,40.78 D25.2
TX: length 25.9
  Top w0.25: J2.3 J2.3 6.29,64.53 U3.21
  Bottom w0.25: U3.21 22.29,65.57 7.32,65.57 U3.21
Net-(D1-A): length 4.2
  Top w0.25: 44.99,95.14 43.33,93.48 D1.2
Net-(D2-A): length 4.2
  Top w0.25: D2.2 62.38,95.98 64.04,97.64
Net-(D3-A): length 4.2
  Top w0.25: D3.2 83.09,98.27 83.09,100.14
Net-(D4-A): length 4.2
  Top w0.25: D4.2 102.14,95.81 102.14,97.64
Net-(D5-A): length 4.2
  Top w0.25: D5.2 121.19,90.91 121.19,92.74
Net-(D6-A): length 4.2
  Top w0.25: 140.24,92.74 140.24,90.91 D6.2
Net-(D7-A): length 4.2
  Top w0.25: D7.2 44.99,74.21 44.99,76.04
Net-(D8-A): length 4.2
  Top w0.25: 64.04,78.59 64.04,76.76 D8.2
Net-(D9-A): length 4.2
  Top w0.25: 83.09,81.09 83.09,79.26 D9.2
Net-(D10-A): length 4.2
  Top w0.25: D10.2 102.14,76.76 102.14,78.59
Net-(D11-A): length 4.2
  Top w0.25: 121.19,73.69 121.19,71.86 D11.2
Net-(D12-A): length 4.2
  Top w0.25: 140.26,73.67 140.26,71.85 138.6,70.2
Net-(D13-A): length 4.2
  Top w0.25: 44.99,57.04 44.99,55.21 D13.2
Net-(D14-A): length 4.2
  Top w0.25: D14.2 64.04,57.71 64.04,59.54
Net-(D15-A): length 4.2
  Top w0.25: 83.09,62.04 83.09,60.21 D15.2
Net-(D16-A): length 4.2
  Top w0.25: D16.2 102.14,57.71 102.14,59.54
Net-(D17-A): length 4.2
  Top w0.25: D17.2 121.19,52.81 121.19,54.64
Net-(D18-A): length 4.2
  Top w0.25: D18.2 140.24,52.81 140.24,54.64
Net-(D19-A): length 4.2
  Top w0.25: D19.2 44.99,36.16 44.99,37.99
Net-(D20-A): length 4.2
  Top w0.25: D20.2 64.04,38.66 64.04,40.49
Net-(D21-A): length 4.2
  Top w0.25: 83.09,42.99 83.09,41.16 D21.2
Net-(D22-A): length 4.2
  Top w0.25: 102.14,40.49 102.14,38.66 D22.2
Net-(D23-A): length 4.2
  Top w0.25: 121.19,35.59 121.19,33.76 D23.2
Net-(D24-A): length 4.2
  Top w0.25: D24.2 140.24,33.76 140.24,35.59
Net-(D26-A): length 11.3
  Bottom w0.25: 17.1,8.91 20.76,12.57 D26.2
Net-(D27-A): length 4
  Top w0.25: 43.15,18.43 43.15,15.33 D27.2
Net-(D28-A): length 4.2
  Top w0.25: D28.2 64.04,19.61 64.04,21.44
Net-(D29-A): length 4.2
  Top w0.25: 83.09,23.94 83.09,22.11 D29.2
Net-(D30-A): length 4.2
  Top w0.25: D30.2 102.14,19.61 102.14,21.44
Net-(D31-A): length 21.8
  Top w0.5: U3.40 5.63,115.25 3.53,115.25 D31.2
  Bottom w0.5: U3.40 U3.40
Net-(JP1-B): length 19.5
  Top w0.25: JP1.2 37,110.52 SW1.4 43.58,107.15 47.12,110.69 v3(47.12,113.72)
  Bottom w0.25: v3(47.12,113.72) 47.1,113.74 U2.4
Net-(SW1B-DOUT): length 17.1
  Top w0.25: SW7.4 40.37,89.25 39.46,90.16 39.46,96.41 36.37,99.5 36.37,102.42 37.15,103.19
Net-(SW2B-DIN): length 19.5
  Top w0.25: 60.92,106.58 60.92,101.95 58.41,99.44 58.41,93.26 55.5,90.35 55.5,89.3
Net-(SW2B-DOUT): length 27.4
  Top w0.25: v1(55.54,112.08) 55.53,112.07 55.53,108.37
  Bottom w0.25: SW3.4 77.84,112.78 71.62,112.78 71.33,112.48 71.33,112.34 70.97,111.98 70.45,111.98 70.25,112.17 55.63,112.17 v1(55.54,112.08)
Net-(SW3B-DOUT): length 17.3
  Top w0.25: SW9.4 78.47,94.7 77.38,95.79 77.38,101.51 74.21,104.67 74.21,107.16 75.25,108.19
Net-(SW4B-DOUT): length 28.2
  Top w0.25: v1(93.6,110.93) 93.6,110.92 93.6,108.34
  Bottom w0.25: v1(93.6,110.93) 93.64,110.97 105.93,110.97 110.19,106.71 114.61,106.71 SW5.4
Net-(SW10B-DIN): length 19.8
  Top w0.25: 93.6,70.25 93.6,71.11 96.38,73.89 96.38,80.18 99.3,83.1 99.3,87.25 99,87.55
Net-(SW10B-DOUT): length 19.6
  Top w0.25: 99,106.6 99.14,106.46 99.14,102.01 96.51,99.38 96.51,93.48 93.62,90.6 93.62,89.3
Net-(SW11B-DIN): length 17
  Top w0.25: SW11.4 116.57,86.78 115.44,87.91 115.44,94.24 112.67,97.01 112.67,100.11 113.35,100.79
Net-(SW11B-DOUT): length 16.8
  Top w0.25: 113.35,81.74 112.86,81.25 112.86,77.75 115.5,75.11 115.5,68.05 116.57,66.98 SW17.4
Net-(SW12B-DIN): length 19.8
  Top w0.25: 137.1,82.65 137.37,82.38 137.37,78.21 134.5,75.34 134.5,69.39 131.7,66.59 131.7,65.35
Net-(SW12B-DOUT): length 19.4
  Top w0.25: 137.02,101.62 137.02,96.95 134.61,94.54 134.61,88.23 131.7,85.32 131.7,84.4
Net-(SW13B-DIN): length 17.1
  Top w0.25: 37.15,84.14 36.37,83.37 36.37,80.43 39.25,77.55 39.25,71.52 40.37,70.4 SW13.4
Net-(SW13B-DOUT): length 17.2
  Top w0.25: 37.15,65.09 36.22,64.16 36.22,61.5 39.15,58.57 39.15,51.22 SW19.4
Net-(SW14B-DIN): length 20
  Top w0.25: 60.9,68.49 61.42,67.96 61.42,64.29 58.27,61.13 58.27,54.74 55.5,51.97 55.5,51.19
Net-(SW14B-DOUT): length 20.1
  Top w0.25: 55.5,70.81 55.5,70.47 ; 55.5,70.81 58.4,73.71 58.4,80.34 61.15,83.09 61.15,83.09 61.15,87.3 60.9,87.55 ; 55.5,70.81 55.5,70.25
Net-(SW15B-DIN): length 16.9
  Top w0.25: SW15.4 77.16,75.36 77.16,82.76 74.7,85.22 74.7,88.59 75.25,89.14
Net-(SW15B-DOUT): length 17.1
  Top w0.25: 75.25,70.09 74.47,69.32 74.47,66.2 77.51,63.16 77.51,55.95 77.52,55.95 SW21.4
Net-(SW16B-DIN): length 19.9
  Top w0.25: 93.6,51.2 93.6,52.12 96.36,54.88 96.36,61.11 99.52,64.28 99.52,68.19 99.22,68.5
Net-(SW17B-DOUT): length 17.1
  Top w0.25: 113.35,62.69 112.57,61.92 112.57,58.91 115.52,55.96 115.52,48.65 SW23.4
Net-(SW18B-DIN): length 19.5
  Top w0.25: 131.71,46.29 131.71,47.23 134.55,50.06 134.55,56.37 137.1,58.92 137.1,63.59
Net-(SW19B-DOUT): length 43.5
  Top w0.25: SW26.4 22.37,18.69 v1(22.37,25.73) ; v1(39.27,30.87) 39.27,39.49 36.04,42.72 36.04,44.93 37.15,46.04
  Bottom w0.25: v1(39.27,30.87) 39.17,30.78 27.23,30.78 22.37,25.92 v1(22.37,25.73)
Net-(SW20B-DIN): length 19.7
  Top w0.25: 55.5,32.15 55.5,33.42 58.29,36.21 58.29,42.14 60.93,44.78 60.93,49.64
Net-(SW21B-DOUT): length 16.8
  Top w0.25: 75.25,51.04 74.79,50.58 74.79,47.02 77.51,44.3 77.51,37.2 78.47,36.24 SW29.4
Net-(SW22B-DIN): length 19.6
  Top w0.25: 99.02,49.42 99.16,49.29 99.16,44.87 96.41,42.12 96.41,35.61 93.62,32.83 93.62,32.12
Net-(SW23B-DOUT): length 26.6
  Top w0.25: 112.65,46.29 v1(112.65,48.41)
  Bottom w0.25: v1(112.65,48.41) 121.72,48.41 123.11,47.02 126.52,47.02 127.94,48.44 134.78,48.44 SW24.4
Net-(SW26B-DOUT): length 21.2
  Top w0.25: v1(20.29,23.05) 20.29,22.35 19.58,21.64 18.29,21.64
  Bottom w0.25: v1(20.29,23.05) 22.35,25.11 22.63,25.11 22.99,25.47 22.99,25.75 26.4,29.16 31.14,29.16 31.3,29 31.82,29 31.97,29.16 35.26,29.16 SW27.4
Net-(SW27B-DOUT): length 33.5
  Top w0.25: 32.23,26.64 31.56,27.3 v1(31.56,29.63)
  Bottom w0.25: 59.4,33.54 58.44,34.5 53.79,34.5 49.01,29.72 31.65,29.72 v1(31.56,29.63)
Net-(SW29B-DOUT): length 26.4
  Top w0.25: v1(74.52,36.65) 74.55,36.61 SW29.2
  Bottom w0.25: v1(74.52,36.65) 74.62,36.75 85.57,36.75 88.26,34.06 89.14,34.06 89.34,34.26 96.71,34.26 SW30.4
unconnected-(J2-Pad4): length 6
  Top w0.25: J2.4 J2.4
unconnected-(U3-3V3_EN-Pad37): length 15.8
  Bottom w0.25: U3.37 7.83,106.72 21.78,106.72 U3.37
unconnected-(U3-ADC_VREF-Pad35): length 15.8
  Bottom w0.25: U3.35 7.88,100.3 21.73,100.3 U3.35
unconnected-(U3-GND-Pad38): length 15.2
  Bottom w0.25: U3.38 U3.38
unconnected-(U3-GPIO17-Pad22): length 16.5
  Bottom w0.25: U3.22 20.92,66.47 8.69,66.47 U3.22
unconnected-(U3-GPIO18-Pad24): length 15.2
  Bottom w0.25: U3.24 U3.24
unconnected-(U3-GPIO20-Pad26): length 15.2
  Bottom w0.25: U3.26 U3.26
unconnected-(U3-GPIO21-Pad27): length 15.2
  Bottom w0.25: U3.27 U3.27
unconnected-(U3-GPIO22-Pad29): length 15.2
  Bottom w0.25: U3.29 U3.29
unconnected-(U3-GPIO26_ADC0-Pad31): length 15.2
  Bottom w0.25: U3.31 U3.31
unconnected-(U3-GPIO27_ADC1-Pad32): length 15.2
  Bottom w0.25: U3.32 U3.32
unconnected-(U3-GPIO28_ADC2-Pad34): length 15.2
  Bottom w0.25: U3.34 U3.34
unconnected-(U3-RUN-Pad30): length 15.2
  Bottom w0.25: U3.30 U3.30

## Copper pours and planes (outline as drawn; the poured copper is in the pictures)
GND on Top: -0.52,22.22 11.47,-1.17 14.57,0.01 67.91,15.05 105.91,15.26 145.55,30.11 146.34,108.57 90.3,115.92 -0.57,116.73 -0.48,29.47
VCC on Bottom: -0.4,22.04 11.37,-0.97 67.91,15.03 105.85,15.03 145.68,29.92 144.93,108.61 89.59,116.09 -0.66,116.67 -0.48,29.81

## Text on the board
B.Silkscreen: FACE USB JACK / TOWARDS BOARD. / INSERT INTO OUTLINE. / SOLDER OTHER SIDE. | JLCJLCJLCJLC
User.Comments: v3.02->3.03: / Improvements made while building prototype 3.02, included in version3.03 / OLEDs incorrectly wired. GP6 went to SCL, and GP7 went to SDA, when those two should have been swtiched. Instead of unswitching, I moved the OLED to GP27(SCL) and GP 26(SDA). Firmware needs to be updated for this change. The new pins still use I2C1 instead of I2C0, so that does not need to be updated. / OLED jack moved -y 2.54 for visual balance. / Pico footprint made holes wider and moved bottom hole down / Pico flipped footprint so now pico jack faces board. / Pico - fixed rectangular gnd pads (now square) | Todo: / Validate that the first sk6812 acts as a level shifter, then remove the level shifter bypass. / WAIT: Consider removing volt shifter. Really hard to solder, may not be necessary. (Testing shifter bypass to asses SK6812 instead of SK6803) / Lessons learned/TODO 5-22-23: / Soleniod jack is at a dumb spot. it sticks out either way. tuck it up under so you can use dupont connectors. / WAIT: Remove OLED pin markings after prototype validation / Broke off microUSB promicro. / WAIT: The 4 holes in the keyplate need to be smaller, otherwise the posts go through, and that sucks. / WAIT: Make a hole in the bottom plate for the tenting puck to recess into. | Done: / NOT RELEVENT: (REPLACE WITH DIFFERNT OLED) Increased annular ring size for 32x128 stacked oled. (This footprint will be replaced by a 64x128) / DONE: Swap in the correct oled / DONE: Removed pico pads & rebuilt teardrops / DONE: Added tenting puck footprint / WONT DO: Update communication from serial to TX/RX. Maybe add the optional I2C back in, with better jumpers nad markings? (ARM spli boards do not support I2C. Half duplex/Serial comm is recommended. Left a pin open to expand to TX/RX in the future) / DONE: (Mostly) TRRS/TRS jack is all loosey goosey. Go back to TRRS jack that is asymetrical for stability. / WONT DO: Move components out from under the Pico so it can be drag soldered (The off-brand Picos don't support this, plus we want the picos all facing down) / DONE: Modify pico holes to account for off-brand Picos. / DONE: What to do about pico led? Maybe split out to double footprint again? (Added double footrpint so the LED always faces down) / DONE: The RH Oled is under the pico. Respect the board outlines (Moving to new OLED style fixes this) / DONE: Add puck footprint / DONE: Add level shifter bypass / DONE: After moving Oled and trrs, add 3rd hole for OLED plexi screen protector / DONE: Does the vsys diode have an orientation?(Validated orientation matches the Junco) / DONE: The hotswop sockets and LEDs are in a single combo footprint. This is great for design, but a PITA for automated production. Need to create a placebo to generate proper PNP/BOM files. (Used a {dblquote}dummy{dblquote} footprint). The sk6812mini-e's require 'standard' assembly, which is a large upcharge. | Notes to self: / The Pico variants are pretty fat. The pico outline is flush with the double sided OLED footprint. The double sided oled footprint sides can be seperated a bit if need be.
User.Eco1: s26 | s27 | s1 | s7 | s13 | s19 | s2 | s14 | s20 | s28 | s8 | s21 | s3 | s15 | s9 | s29 | s16 | s22 | s30 | s4 | s10 | s11 | s5 | s17 | s23 | s12 | s6 | s18 | s24
F.Silkscreen: FACE USB JACK / TOWARDS BOARD. / INSERT INTO OUTLINE. / SOLDER OTHER SIDE. | Sofle v3.03 6-17-2023 / by github.com/JellyTitan | Sofle v3
